# KiCad board BDCMotorController.kicad_pcb (continued)
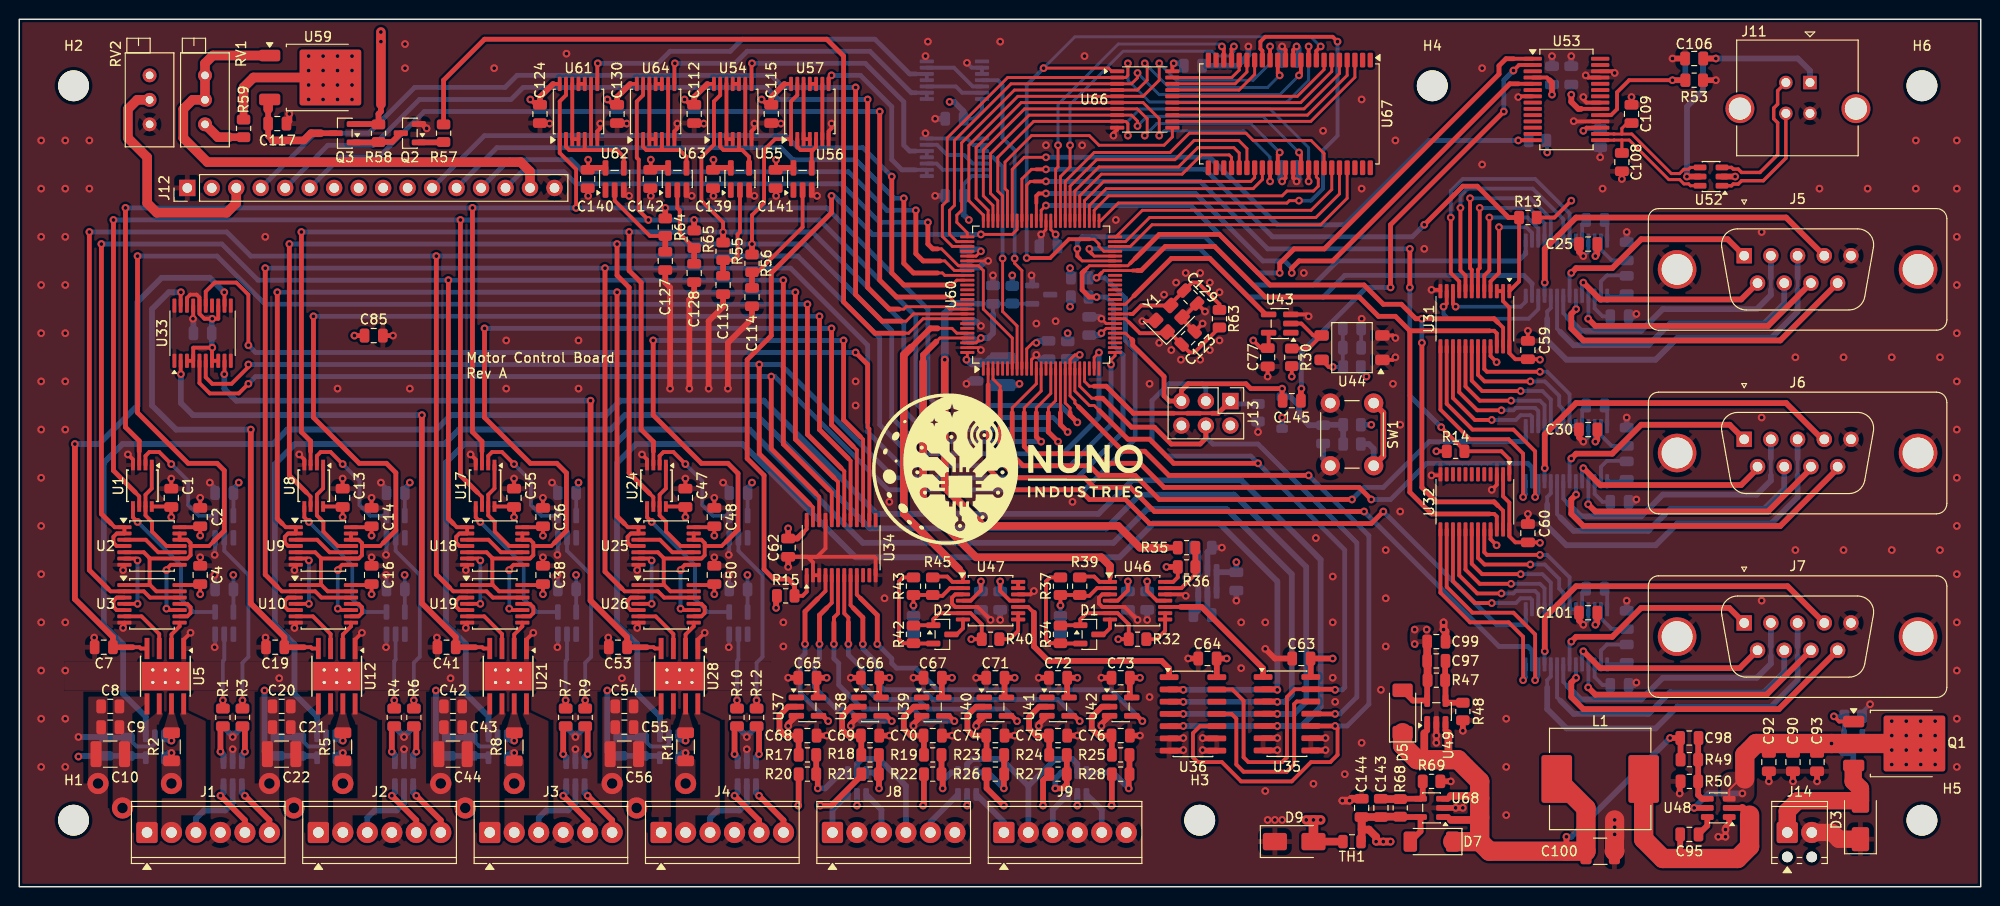
[diagram p0: board, top side]
## Routing (per net, layer and track width the routed paths; a pad name or vN(x,y) marks a point on that pad's centre or on a via; arc(x,y) is an arc through that point) (continued)
/Motor Control/H-bridge #1/ENCODER_A_IN: length 4
  Top w0.6: R1.2 20.87,16.4 v1(20.87,14.01)
  Bottom w0.6: U69.1 21.19,13.69 v1(20.87,14.01)
/Motor Control/H-bridge #1/ENCODER_B_IN: length 4
  Top w0.6: v1(23.41,14.01) 23.41,16.4 R3.2
  Bottom w0.6: U69.3 23.09,13.69 v1(23.41,14.01)
/Motor Control/H-bridge #1/IN1: length 5.9
  Top w0.4: U5.3 14.52,26.22 12.69,28.05 U3.6
/Motor Control/H-bridge #1/IN2: length 3
  Top w0.4: U5.2 15.79,26.17 16.63,27.01 U3.8
/Motor Control/H-bridge #1/~{ENABLE_MOTOR}: length 10.9
  Top w0.4: U1.1 13.74,41.33 13.09,40.68 U1.7 13.09,38.53 13.77,37.85 13.77,36.85 15.27,35.35 U2.11
/Motor Control/H-bridge #1/~{FORWARD}/REVERSE: length 6.3
  Top w0.4: U2.10 14.42,34.7 13.12,36 U2.3
/Motor Control/H-bridge #2/ENCODER_A_IN: length 4
  Top w0.6: R4.2 38.65,16.4 v1(38.65,14.01)
  Bottom w0.6: v1(38.65,14.01) 38.97,13.69 U70.1
/Motor Control/H-bridge #2/ENCODER_B_IN: length 4
  Top w0.6: R6.2 41.19,16.4 v1(41.19,14.01)
  Bottom w0.6: U70.3 40.87,13.69 v1(41.19,14.01)
/Motor Control/H-bridge #2/IN1: length 5.9
  Top w0.4: U10.6 30.46,28.05 32.3,26.22 U12.3
/Motor Control/H-bridge #2/IN2: length 3
  Top w0.4: U10.8 34.41,27.01 33.57,26.17 U12.2
/Motor Control/H-bridge #2/~{ENABLE_MOTOR}: length 10.9
  Top w0.4: U9.11 33.05,35.35 31.55,36.85 31.55,37.85 30.88,38.53 U8.7 30.88,40.68 31.52,41.33 U8.1
/Motor Control/H-bridge #2/~{FORWARD}/REVERSE: length 6.3
  Top w0.4: U9.10 32.2,34.7 30.9,36 U9.3
/Motor Control/H-bridge #3/ENCODER_A_IN: length 4
  Top w0.6: v1(56.43,13.76) 56.43,16.4 R7.2
  Bottom w0.6: v1(56.43,13.76) 56.75,13.44 U71.1
/Motor Control/H-bridge #3/ENCODER_B_IN: length 4
  Top w0.6: v1(58.97,13.76) 58.97,16.4 R9.2
  Bottom w0.6: v1(58.97,13.76) 58.65,13.44 U71.3
/Motor Control/H-bridge #3/IN1: length 5.9
  Top w0.4: U21.3 50.08,26.22 48.24,28.05 U19.6
/Motor Control/H-bridge #3/IN2: length 3
  Top w0.4: U19.8 52.19,27.01 51.35,26.17 U21.2
/Motor Control/H-bridge #3/~{ENABLE_MOTOR}: length 10.9
  Top w0.4: U18.11 50.83,35.35 49.33,36.85 49.33,37.85 48.65,38.53 U17.7 48.65,40.68 49.3,41.33 U17.1
/Motor Control/H-bridge #3/~{FORWARD}/REVERSE: length 6.3
  Top w0.4: U18.10 49.98,34.7 48.68,36 U18.3
/Motor Control/H-bridge #4/ENCODER_A_IN: length 4
  Top w0.6: R10.2 74.21,16.4 v1(74.21,13.76)
  Bottom w0.6: U72.1 74.53,13.44 v1(74.21,13.76)
/Motor Control/H-bridge #4/ENCODER_B_IN: length 4
  Top w0.6: R12.2 76.75,16.4 v1(76.75,13.76)
  Bottom w0.6: v1(76.75,13.76) 76.43,13.44 U72.3
/Motor Control/H-bridge #4/IN1: length 5.9
  Top w0.4: U28.3 67.86,26.22 66.02,28.05 U26.6
/Motor Control/H-bridge #4/IN2: length 3
  Top w0.4: U28.2 69.13,26.17 69.97,27.01 U26.8
/Motor Control/H-bridge #4/~{ENABLE_MOTOR}: length 10.9
  Top w0.4: U24.1 67.08,41.33 66.43,40.68 U24.7 66.43,38.53 67.11,37.85 67.11,36.85 68.61,35.35 U25.11
/Motor Control/H-bridge #4/~{FORWARD}/REVERSE: length 6.3
  Top w0.4: U25.3 66.46,36 67.76,34.7 U25.10
/Motor Control/LIM_SW00: length 18.7
  Top w0.4: 82.83,29.87 83.64,30.68 U34.4
  Top w0.5: v1(81.52,25.18) 81.52,28.56 82.83,29.87 ; U37.4 83.37,17.73 v1(83.92,17.18)
  Bottom w0.5: v1(81.52,25.18) 81.52,24.18 81.02,23.68 81.02,20.08 v1(83.92,17.18)
/Motor Control/LIM_SW01: length 23.2
  Top w0.4: U34.5 84.3,29.46 83.77,28.93
  Top w0.5: v1(83.02,25.18) 83.02,28.18 83.77,28.93 ; U38.4 89.97,17.73 v1(90.52,17.18)
  Bottom w0.5: v1(83.02,25.18) 83.02,23.68 82.52,23.18 82.52,20.68 84.77,18.43 86.02,18.43 87.27,17.18 v1(90.52,17.18)
/Motor Control/LIM_SW02: length 26.7
  Top w0.4: U34.6 84.95,28.36 84.52,27.93 84.52,27.43
  Top w0.5: v1(97.02,17.18) 96.47,17.73 U39.4 ; 84.52,27.43 v1(84.52,25.18)
  Bottom w0.5: v1(97.02,17.18) 94.02,17.18 92.77,18.43 87.52,18.43 85.02,20.93 85.02,23.18 84.52,23.68 v1(84.52,25.18)
/Motor Control/LIM_SW03: length 31.1
  Top w0.4: 86.02,27.43 86.02,27.93 85.59,28.36 U34.7
  Top w0.5: 86.02,27.43 v1(86.02,25.18) ; U40.4 102.97,17.73 v1(103.52,17.18)
  Bottom w0.5: v1(86.02,25.18) 86.02,24.06 87.52,22.56 87.52,20.93 89.02,19.43 93.27,19.43 94.27,18.43 102.27,18.43 v1(103.52,17.18)
/Motor Control/LIM_SW04: length 36.3
  Top w0.4: U34.8 86.24,29.21 86.52,28.93
  Top w0.5: 86.52,28.93 87.52,27.93 v1(87.52,25.18) ; v1(110.02,17.18) 109.47,17.73 U41.4
  Bottom w0.5: v1(110.02,17.18) 107.77,19.43 94.77,19.43 93.77,20.43 89.77,20.43 89.02,21.18 89.02,23.18 87.52,24.68 v1(87.52,25.18)
/Motor Control/LIM_SW05: length 40.5
  Top w0.4: 87.27,29.93 86.89,30.31 U34.9
  Top w0.5: v1(89.02,25.18) 89.02,28.18 87.27,29.93 ; v1(116.52,17.18) 115.97,17.73 U42.4
  Bottom w0.5: v1(89.02,25.18) 90.52,23.68 90.52,23.18 91.02,22.68 93.02,22.68 95.27,20.43 113.27,20.43 v1(116.52,17.18)
/Motor Control/Limit Switches/LIM1: length 7.3
  Top w0.6: R17.2 R20.1 82.85,11.52 v1(82.85,10.2)
  Bottom w0.6: U73.1 85.25,11.85 83.61,10.2 v1(82.85,10.2)
/Motor Control/Limit Switches/LIM1_O: length 4.6
  Bottom w0.6: U73.6 84.37,7.98 J8.1
/Motor Control/Limit Switches/LIM2: length 6.1
  Top w0.6: R18.2 R21.1 89.2,11.67 v1(89.2,10.2)
  Bottom w0.6: v1(89.2,10.2) 89.2,11.22 88.57,11.85 U73.3
/Motor Control/Limit Switches/LIM2_O: length 4.6
  Bottom w0.6: U73.4 89.45,7.98 J8.3
/Motor Control/Limit Switches/LIM3: length 6.2
  Top w0.6: R19.2 R22.1 95.8,11.56 v1(95.8,10.2)
  Bottom w0.6: v1(95.8,10.2) 95.8,10.96 96.68,11.85 U74.1
/Motor Control/Limit Switches/LIM3_O: length 5.1
  Bottom w0.6: U74.6 94.53,6.71 J8.5
/Motor Control/Limit Switches/LIM4: length 7
  Top w0.6: v1(102.15,10.2) 102.15,11.65 R26.1 102.18,13.65 102.15,13.68
  Bottom w0.6: U74.3 100.5,11.85 v1(102.15,10.2)
/Motor Control/Limit Switches/LIM4_O: length 5.1
  Bottom w0.6: J9.1 102.15,6.71 U74.4
/Motor Control/Limit Switches/LIM5: length 7
  Top w0.6: v1(107.48,10.2) 108.25,10.2 108.68,10.64 R27.1 R24.2
  Bottom w0.6: v1(107.48,10.2) 107.48,11.22 108.11,11.85 U75.1
/Motor Control/Limit Switches/LIM5_O: length 4.6
  Bottom w0.6: U75.6 107.23,7.98 J9.3
/Motor Control/Limit Switches/LIM6: length 8.6
  Top w0.6: R25.2 R28.1 115.1,11.6 v1(115.1,10.2)
  Bottom w0.6: v1(115.1,10.2) 113.46,11.85 U75.3
/Motor Control/Limit Switches/LIM6_O: length 4.6
  Bottom w0.6: J9.5 112.31,7.98 U75.4
/Motor Control/POT_~{RESET}: length 93.3
  Top w0.4: U33.15 19.34,61.76 20.27,62.68 22.52,62.68 23.77,61.43 v1(23.77,56.18) ; U34.14 88.2,47.51 88.02,47.68 88.02,48.18
  Top w0.5: v1(86.77,55.43) 88.02,54.18 88.02,48.18
  Bottom w0.5: v1(23.77,56.18) 24.52,55.43 v1(86.77,55.43)
/Motor Control/VREF_M1A: length 57.3
  Top w0.4: U33.12 21.3,61.66 v1(21.27,61.68) ; U5.4 12.6,24.72 12.47,24.85 11.77,24.85
  Top w0.6: 11.77,24.85 C7.1 9.72,25.9 5.77,29.85 v1(5.77,45.93)
  Bottom w0.6: v1(21.27,61.68) 19.77,63.18 14.77,63.18 12.27,60.68 12.27,49.93 8.27,45.93 v1(5.77,45.93)
/Motor Control/VREF_M1B: length 54
  Top w0.4: U12.4 30.38,24.72 30.25,24.85 29.55,24.85 ; U33.19 16.74,61.66 v1(16.77,61.68)
  Top w0.6: 29.55,24.85 C19.1 27.5,25.9 24.02,29.38 v1(24.02,47.43)
  Bottom w0.6: v1(16.77,61.68) 15.52,61.68 13.77,59.93 13.77,49.93 16.27,47.43 v1(24.02,47.43)
/Motor Control/VREF_M2A: length 59
  Top w0.4: U21.4 48.17,24.72 48.03,24.85 47.33,24.85 ; U33.2 16.74,53.21 v1(16.77,53.18)
  Top w0.6: 47.33,24.85 C41.1 45.28,25.9 41.77,29.41 v1(41.77,48.93)
  Bottom w0.6: v1(16.77,53.18) 16.77,50.18 18.02,48.93 v1(41.77,48.93)
/Motor Control/VREF_M2B: length 72.2
  Top w0.4: v1(21.27,53.18) 21.3,53.21 U33.9 ; 65.11,24.85 65.81,24.85 65.95,24.72 U28.4
  Top w0.6: v1(59.27,50.43) 59.27,29.69 63.06,25.9 C53.1 65.11,24.85
  Bottom w0.6: v1(21.27,53.18) 21.27,51.68 22.52,50.43 v1(59.27,50.43)
/Serial ports/CTS_IN1: length 21.2
  Top w0.4: v1(150.52,71.43) 150.52,64.18 150.69,64.01 U31.7
  Bottom w0.4: v1(150.52,71.43) 156.77,71.43 158.89,69.31 U15.19
/Serial ports/CTS_IN2: length 15.3
  Top w0.4: U31.18 150.69,52.51 151.77,51.43 v1(155.77,51.43)
  Bottom w0.4: v1(155.77,51.43) 158.02,51.43 158.89,50.56 U16.19
/Serial ports/CTS_IN3: length 15.3
  Top w0.4: U32.18 150.69,33.51 151.77,32.43 v1(155.77,32.43)
  Bottom w0.4: U51.19 158.89,31.56 158.02,32.43 v1(155.77,32.43)
/Serial ports/CTS_LINE1: length 27.7
  Top w0.6: J5.8 181.44,58.18 163.52,58.18 v1(162.77,58.93)
  Bottom w0.4: U15.4 162.8,58.96 v1(162.77,58.93)
/Serial ports/CTS_LINE2: length 27.7
  Top w0.6: 185.88,43.38 181.44,38.93 163.52,38.93 v1(162.77,39.68)
  Bottom w0.4: v1(162.77,39.68) 162.8,39.71 U16.4
/Serial ports/CTS_LINE3: length 27.7
  Top w0.6: J7.8 181.28,19.93 163.52,19.93 v1(162.77,20.68)
  Bottom w0.4: v1(162.77,20.68) 162.8,20.71 U51.4
/Serial ports/DCD_IN1: length 11.5
  Top w0.4: v1(153.52,68.43) 153.52,63.68 152.64,62.81 U31.4
  Bottom w0.4: v1(153.52,68.43) 156.35,68.43 156.94,67.84 U15.16
/Serial ports/DCD_IN2: length 15.7
  Top w0.4: v1(152.77,48.43) 151.02,48.43 148.75,50.71 U31.15
  Bottom w0.4: v1(152.77,48.43) 155.27,48.43 155.77,48.93 156.77,48.93 156.94,48.76 U16.16
/Serial ports/DCD_IN3: length 15.7
  Top w0.4: v1(152.77,29.43) 151.02,29.43 148.75,31.71 U32.15
  Bottom w0.4: U51.16 156.94,29.76 156.77,29.93 155.77,29.93 155.27,29.43 v1(152.77,29.43)
/Serial ports/DCD_LINE1: length 22.5
  Top w0.6: v1(161.02,63.68) 161.52,64.18 165.27,64.18 168.27,67.18 177.25,67.18 J5.1
  Bottom w0.4: v1(161.02,63.68) 160.84,63.51 U15.7
/Serial ports/DCD_LINE2: length 22.5
  Top w0.6: J6.1 177.45,47.93 168.27,47.93 165.27,44.93 161.52,44.93 v1(161.02,44.43)
  Bottom w0.4: U16.7 160.84,44.26 v1(161.02,44.43)
/Serial ports/DCD_LINE3: length 22.5
  Top w0.6: J7.1 177.4,28.93 168.27,28.93 165.27,25.93 161.52,25.93 v1(161.02,25.43)
  Bottom w0.4: v1(161.02,25.43) 160.84,25.26 U51.7
/Serial ports/DSR_IN1: length 17.9
  Top w0.4: U31.6 151.34,64.01 151.52,64.18 v1(151.52,70.43)
  Bottom w0.4: U15.18 158.25,68.84 156.65,70.43 v1(151.52,70.43)
/Serial ports/DSR_IN2: length 15.3
  Top w0.4: v1(154.77,50.43) 151.52,50.43 150.05,51.91 U31.17
  Bottom w0.4: v1(154.77,50.43) 157.77,50.43 158.25,49.96 U16.18
/Serial ports/DSR_IN3: length 15.3
  Top w0.4: U32.17 150.05,32.91 151.52,31.43 v1(154.77,31.43)
  Bottom w0.4: v1(154.77,31.43) 157.77,31.43 158.25,30.96 U51.18
/Serial ports/DSR_LINE1: length 20.9
  Top w0.6: J5.6 178.64,60.93 164.02,60.93 v1(162.27,62.68)
  Bottom w0.4: v1(162.27,62.68) 162.14,62.56 U15.5
/Serial ports/DSR_LINE2: length 20.9
  Top w0.6: v1(162.27,43.43) 164.02,41.68 178.64,41.68 180.34,43.38
  Bottom w0.4: U16.5 162.14,43.31 v1(162.27,43.43)
/Serial ports/DSR_LINE3: length 21
  Top w0.6: J7.6 178.5,22.68 164.02,22.68 v1(162.27,24.43)
  Bottom w0.4: v1(162.27,24.43) 162.14,24.31 U51.5
/Serial ports/DTR_IN1: length 14.3
  Top w0.4: U31.11 148.09,60.51 v1(147.77,60.18)
  Bottom w0.4: v1(147.77,60.18) 147.77,59.43 148.27,58.93 156.6,58.93 157.59,59.93 U15.12
/Serial ports/DTR_IN2: length 23.7
  Top w0.4: v1(157.27,40.43) 157.27,45.18 155.02,47.43 150.77,47.43 148.09,50.11 U31.14
  Bottom w0.4: v1(157.27,40.43) 157.59,40.76 U16.12
/Serial ports/DTR_IN3: length 23.7
  Top w0.4: v1(157.27,21.43) 157.27,26.18 155.02,28.43 150.77,28.43 148.09,31.11 U32.14
  Bottom w0.4: U51.12 157.59,21.76 v1(157.27,21.43)
/Serial ports/DTR_LINE1: length 36.9
  Top w0.6: v1(158.27,62.68) 158.27,66.18 161.52,69.43 183.31,69.43 J5.4
  Bottom w0.4: U15.11 158.25,62.66 v1(158.27,62.68)
/Serial ports/DTR_LINE2: length 36.9
  Top w0.6: 187.27,46.22 183.31,50.18 161.52,50.18 158.27,46.93 v1(158.27,43.43)
  Bottom w0.4: v1(158.27,43.43) 158.25,43.41 U16.11
/Serial ports/DTR_LINE3: length 36.8
  Top w0.6: J7.4 183.46,31.18 161.52,31.18 158.27,27.93 v1(158.27,24.43)
  Bottom w0.4: U51.11 158.25,24.41 v1(158.27,24.43)
/Serial ports/RI_IN1: length 14.7
  Top w0.4: U31.5 152,63.41 152.52,63.93 v1(152.52,69.43)
  Bottom w0.4: U15.17 157.59,68.32 156.49,69.43 v1(152.52,69.43)
/Serial ports/RI_IN2: length 15.5
  Top w0.4: U31.16 149.39,51.31 151.27,49.43 v1(153.77,49.43)
  Bottom w0.4: v1(153.77,49.43) 155.02,49.43 155.27,49.68 157.27,49.68 157.59,49.36 U16.17
/Serial ports/RI_IN3: length 15.5
  Top w0.4: U32.16 149.39,32.31 151.27,30.43 v1(153.77,30.43)
  Bottom w0.4: U51.17 157.59,30.36 157.27,30.68 155.27,30.68 155.02,30.43 v1(153.77,30.43)
/Serial ports/RI_LINE1: length 34.2
  Top w0.6: J5.9 182.7,56.68 162.27,56.68 161.02,57.93 161.02,59.43 v1(161.52,59.93)
  Bottom w0.4: v1(161.52,59.93) 161.5,59.96 U15.6
/Serial ports/RI_LINE2: length 34.2
  Top w0.6: v1(161.52,40.68) 161.02,40.18 161.02,38.68 162.27,37.43 182.7,37.43 188.65,43.38
  Bottom w0.4: U16.6 161.5,40.71 v1(161.52,40.68)
/Serial ports/RI_LINE3: length 34.3
  Top w0.6: J7.9 182.56,18.43 162.27,18.43 161.02,19.68 161.02,21.18 v1(161.52,21.68)
  Bottom w0.4: U51.6 161.5,21.71 v1(161.52,21.68)
/Serial ports/RS232 Interface #1/C1+: length 2.3
  Bottom w0.4: C26.1 164.75,68.91 U15.28
/Serial ports/RS232 Interface #1/C1-: length 2.3
  Bottom w0.4: U15.24 162.14,68.76 C26.2
/Serial ports/RS232 Interface #1/C2+: length 2.1
  Bottom w0.4: 166.77,61.43 166.61,61.27 164.75,61.27
/Serial ports/RS232 Interface #1/C2-: length 4.4
  Bottom w0.4: 166.77,63.43 164.72,63.43 164.09,62.81 164.09,61.37
/Serial ports/RS232 Interface #1/V+: length 4.1
  Bottom w0.4: U15.27 164.09,66.11 165.22,64.98 C29.1
/Serial ports/RS232 Interface #1/V-: length 3.3
  Bottom w0.4: U15.3 163.44,60.01 164.27,59.18 C27.1
/Serial ports/RS232 Interface #2/C1+: length 2.3
  Bottom w0.4: C31.1 164.75,49.66 U16.28
/Serial ports/RS232 Interface #2/C1-: length 2.3
  Bottom w0.4: C31.2 162.14,49.51 U16.24
/Serial ports/RS232 Interface #2/C2+: length 2.1
  Bottom w0.4: U16.1 166.61,42.07 C33.1
/Serial ports/RS232 Interface #2/C2-: length 4.4
  Bottom w0.4: 166.77,44.18 164.72,44.18 164.09,43.56 164.09,42.12
/Serial ports/RS232 Interface #2/V+: length 4.1
  Bottom w0.4: C34.1 165.22,45.73 164.09,46.86 U16.27
/Serial ports/RS232 Interface #2/V-: length 3.3
  Bottom w0.4: U16.3 163.44,40.76 164.27,39.93 C32.1
/Serial ports/RS232 Interface #3/C1+: length 2.3
  Bottom w0.4: C102.1 164.75,30.66 U51.28
/Serial ports/RS232 Interface #3/C1-: length 2.3
  Bottom w0.4: U51.24 162.14,30.51 C102.2
/Serial ports/RS232 Interface #3/C2+: length 2.1
  Bottom w0.4: C104.1 166.61,23.07 U51.1
/Serial ports/RS232 Interface #3/C2-: length 4.4
  Bottom w0.4: U51.2 164.09,24.51 164.72,25.13 C104.2
/Serial ports/RS232 Interface #3/V+: length 4.1
  Bottom w0.4: C105.1 165.22,26.73 164.09,27.86 U51.27
/Serial ports/RS232 Interface #3/V-: length 3.3
  Bottom w0.4: C103.1 164.27,20.93 163.44,21.76 U51.3
/Serial ports/RTS_IN1: length 9.8
  Top w0.4: v1(149.02,60.18) 148.75,60.46 U31.10
  Bottom w0.4: v1(149.02,60.18) 155.77,60.18 156.3,60.71 U15.14
/Serial ports/RTS_IN2: length 23.3
  Top w0.4: U31.13 147.44,49.51 150.52,46.43 154.52,46.43 156.02,44.93 v1(156.02,40.43)
  Bottom w0.4: v1(156.02,40.43) 156.3,40.71 U16.14
/Serial ports/RTS_IN3: length 23.3
  Top w0.4: U32.13 147.44,30.51 150.52,27.43 154.52,27.43 156.02,25.93 v1(156.02,21.43)
  Bottom w0.4: U51.14 156.3,21.71 v1(156.02,21.43)
/Serial ports/RTS_LINE1: length 31.6
  Bottom w0.4: U15.9 159.55,57.91 159.89,57.56
  Bottom w0.6: J5.7 183.12,60.53 181.02,58.43 171.27,58.43 169.02,56.18 161.27,56.18 159.89,57.56
/Serial ports/RTS_LINE2: length 31.6
  Bottom w0.4: U16.9 159.55,38.66 159.89,38.31
  Bottom w0.6: 159.89,38.31 161.27,36.93 169.02,36.93 171.27,39.18 181.02,39.18 183.12,41.28 183.12,43.38
/Serial ports/RTS_LINE3: length 31.8
  Bottom w0.4: 159.89,19.31 159.55,19.66 U51.9
  Bottom w0.6: 159.89,19.31 161.27,17.93 169.02,17.93 171.27,20.18 181.02,20.18 183.12,22.28 J7.7
/Serial ports/RX_LINE1: length 29.7
  Bottom w0.4: 160.64,59.06 160.19,59.51 U15.8 ; 181.73,61.93 181.73,63.18
  Bottom w0.6: 160.64,59.06 162.02,57.68 168.27,57.68 170.52,59.93 180.27,59.93 181.73,61.39 181.73,61.93 ; 181.73,63.18 J5.2
/Serial ports/RX_LINE2: length 29.9
  Bottom w0.4: 181.73,42.68 181.73,44.43 ; 160.64,39.81 160.19,40.26 U16.8
  Bottom w0.6: 181.73,44.43 J6.2 ; 181.73,42.68 181.73,42.14 180.27,40.68 170.52,40.68 168.27,38.43 162.02,38.43 160.64,39.81
/Serial ports/RX_LINE3: length 29.9
  Bottom w0.4: 160.64,20.81 160.19,21.26 U51.8 ; 181.73,23.93 181.73,24.93
  Bottom w0.6: 160.64,20.81 162.02,19.43 168.27,19.43 170.52,21.68 180.27,21.68 181.73,23.14 181.73,23.93 ; 181.73,24.93 J7.2
/Serial ports/ST_IN1: length 24.6
  Top w0.4: v1(149.52,70.43) 149.52,63.93 150.05,63.41 U31.8
  Bottom w0.4: v1(149.52,70.43) 149.52,71.68 150.27,72.43 157.02,72.43 160.19,69.26 U15.21
/Serial ports/ST_IN2: length 15.6
  Top w0.4: v1(156.77,52.43) 152.02,52.43 151.34,53.11 U31.19
  Bottom w0.4: U16.21 160.19,49.51 159.77,49.93 159.77,50.93 158.27,52.43 v1(156.77,52.43)
/Serial ports/ST_IN3: length 15.6
  Top w0.4: v1(156.77,33.43) 152.02,33.43 151.34,34.11 U32.19
  Bottom w0.4: U51.21 160.19,30.51 159.77,30.93 159.77,31.93 158.27,33.43 v1(156.77,33.43)
/Serial ports/TX_LINE1: length 39.5
  Bottom w0.4: 184.5,61.93 184.5,63.18 ; U15.10 158.89,60.06 158.52,59.68 158.52,58.93
  Bottom w0.6: 184.5,61.93 184.5,59.66 181.77,56.93 172.02,56.93 169.77,54.68 160.52,54.68 158.52,56.68 158.52,58.93 ; 184.5,63.18 J5.3
/Serial ports/TX_LINE2: length 39.7
  Bottom w0.4: U16.10 158.89,40.81 158.52,40.43 158.52,39.68 ; 184.5,42.68 184.5,44.43
  Bottom w0.6: 184.5,42.68 184.5,40.41 181.77,37.68 172.02,37.68 169.77,35.43 160.52,35.43 158.52,37.43 158.52,39.68 ; 184.5,44.43 J6.3
/Serial ports/TX_LINE3: length 39.6
  Bottom w0.4: U51.10 158.89,21.81 158.52,21.43 158.52,20.68 ; 184.5,23.93 184.5,24.93
  Bottom w0.6: 184.5,24.93 J7.3 ; 158.52,20.68 158.52,18.43 160.52,16.43 169.77,16.43 172.02,18.68 181.77,18.68 184.5,21.41 184.5,23.93
/Serial ports/~{SHDN_IN1}: length 28.5
  Top w0.4: U31.9 149.39,62.81 148.52,63.68 v1(148.52,69.43)
  Bottom w0.4: U15.23 U15.22 160.84,69.86 157.27,73.43 149.77,73.43 148.52,72.18 v1(148.52,69.43)
/Serial ports/~{SHDN_IN2}: length 16.3
  Top w0.4: v1(157.77,53.43) 152.27,53.43 152,53.71 U31.20
  Bottom w0.4: U16.23 U16.22 160.84,51.11 158.52,53.43 v1(157.77,53.43)
/Serial ports/~{SHDN_IN3}: length 16.3
  Top w0.4: U32.20 152,34.71 152.27,34.43 v1(157.77,34.43)
  Bottom w0.4: U51.23 U51.22 160.84,32.11 158.52,34.43 v1(157.77,34.43)
/USB/DN: length 14.9
  Top w0.354: J11.2 182.43,82.58 182.43,81.19 182.02,80.78 182.02,79.68 182.43,79.27 182.43,75.94 180.59,74.11 178.69,74.11 178.34,74.46 177.82,74.46 177.65,74.63 U52.3
/USB/DP: length 12.5
  Top w0.354: J11.3 183.28,75.59 180.95,73.25 178.69,73.25 178.34,72.9 177.82,72.9 177.65,72.73 U52.1
/USB/USBN: length 14.1
  Top w0.317: U53.16 165.45,78.11 165.46,78.09 166.27,78.09 ; 166.27,78.09 166.27,78.68 166.82,79.23 C109.1 ; 166.27,78.09 167.3,78.09 171.4,73.99 172.26,73.99 172.71,74.44 173.2,74.44 173.39,74.63 U52.4
/USB/USBP: length 13.7
  Top w0.317: C108.1 166.27,77.47 ; 166.27,77.47 165.46,77.47 165.45,77.46 U53.15 ; 166.27,77.47 167.04,77.47 171.14,73.37 172.26,73.37 172.71,72.92 173.2,72.92 173.39,72.73 U52.6
VDC: length 45.6
  Top w0.2: U48.3 177.41,10.07 178.52,11.18 179.02,11.18
  Top w0.6: Q3.2 37.23,79.13 R58.1 37.27,80.18 37.52,80.43 37.52,81.18 ; U48.5 v1(173.77,8.18)
  Top w1: 37.52,81.18 v1(37.52,87.68) v1(37.52,88.68)
  Top w2: 179.02,11.18 179.02,13.68 180.2,14.86 v1(188.02,14.86) Q1.2
  Bottom w0.4: D4.3 189.13,13.74 v1(188.02,14.86)
  Bottom w0.6: v1(178.77,9.68) 175.27,9.68 v1(173.77,8.18)
  vias: v1(194.27,17.18) v1(194.27,15.68) v1(194.27,14.18) v1(194.27,12.68) v1(195.77,17.18) v1(195.77,15.68) v1(195.77,14.18) v1(195.77,12.68) v1(197.27,17.18) v1(197.27,15.68) v1(197.27,14.18) v1(197.27,12.68) v1(198.77,17.18) v1(198.77,15.68) v1(198.77,14.18) v1(198.77,12.68) v2(10.71,8.17) v2(28.49,8.17) v2(46.27,8.17) v2(64.05,8.17)
Net-(C3-Pad1): length 7.8
  Top w0.6: v1(21.12,19.35) R1.1
  Bottom w0.4: U6.2 21.27,23.56 21.12,23.41 v1(21.12,19.35)
Net-(C12-Pad1): length 19
  Top w0.6: v1(23.16,19.35) R3.1
  Bottom w0.4: U4.2 21.27,34.85 23.77,32.35 23.77,23.85 23.16,23.24 v1(23.16,19.35)
Net-(C15-Pad1): length 8.6
  Top w0.6: v1(38.9,19.35) R4.1
  Bottom w0.4: v1(38.9,19.35) 38.9,23.41 39.05,23.56 U13.2
  Bottom w0.6: v1(38.9,19.35) C15.1
Net-(C24-Pad1): length 19.8
  Top w0.6: v1(40.94,19.35) R6.1
  Bottom w0.4: v1(40.94,19.35) 40.94,23.24 41.55,23.85 41.55,32.35 39.05,34.85 U11.2
  Bottom w0.6: v1(40.94,19.35) C24.1
Net-(C37-Pad1): length 8.6
  Top w0.6: R7.1 v1(56.68,19.35)
  Bottom w0.4: U22.2 56.83,23.56 56.68,23.41 v1(56.68,19.35)
  Bottom w0.6: C37.1 v1(56.68,19.35)
Net-(C46-Pad1): length 19.8
  Top w0.6: R9.1 v1(58.72,19.35)
  Bottom w0.4: v1(58.72,19.35) 58.72,23.24 59.33,23.85 59.33,32.35 56.83,34.85 U20.2
  Bottom w0.6: C46.1 v1(58.72,19.35)
Net-(C49-Pad1): length 8.6
  Top w0.6: v1(74.46,19.35) R10.1
  Bottom w0.4: v1(74.46,19.35) 74.46,23.41 74.61,23.56 U29.2
  Bottom w0.6: v1(74.46,19.35) C49.1
Net-(C58-Pad1): length 19.8
  Top w0.6: v1(76.5,19.35) R12.1
  Bottom w0.4: U27.2 74.61,34.85 77.11,32.35 77.11,23.85 76.5,23.24 v1(76.5,19.35)
  Bottom w0.6: v1(76.5,19.35) C58.1
Net-(C68-Pad1): length 7.8
  Top w0.6: U37.2 79.77,18.68 78.87,17.78 78.87,16.31 79.5,15.68 C68.1 80.86,15.64 R17.1
Net-(C69-Pad1): length 7.8
  Top w0.6: U38.2 86.32,18.68 85.37,17.73 85.37,16.31 86,15.68 C69.1 87.36,15.64 R18.1
Net-(C70-Pad1): length 7.9
  Top w0.6: R19.1 93.86,15.64 C70.1 92.5,15.68 91.77,16.41 91.77,17.63 92.82,18.68 U39.2
Net-(C74-Pad1): length 7.8
  Top w0.6: U40.2 99.27,18.68 98.37,17.78 98.37,16.31 99,15.68 C74.1 100.36,15.64 R23.1
Net-(C75-Pad1): length 7.9
  Top w0.6: R24.1 106.86,15.64 C75.1 105.5,15.68 104.77,16.41 104.77,17.63 105.82,18.68 U41.2
Net-(C76-Pad1): length 7.9
  Top w0.6: R25.1 113.36,15.64 C76.1 112,15.68 111.27,16.41 111.27,17.63 112.32,18.68 U42.2
Net-(C113-Pad1): length 10.3
  Top w0.4: R55.2 74.11,65.02 74.52,65.43 74.52,67.68 74.77,67.93 U55.2
  Top w0.6: C113.1 R55.2
Net-(C114-Pad1): length 12.7
  Top w0.4: U56.2 81.27,68.43 76.61,63.77 R56.2
  Top w0.6: C114.1 R56.2
Net-(C127-Pad1): length 9.5
  Top w0.4: U62.2 61.77,71.18 65.43,67.52 R64.2
  Top w0.6: C127.1 R64.2
Net-(C128-Pad1): length 8.4
  Top w0.4: U63.2 68.27,70.43 68.52,70.18 68.52,67.77 R65.2
  Top w0.6: C128.1 R65.2
Net-(D1-A): length 11.4
  Top w0.4: D1.2 108.06,25.23 R34.1 106.93,25.27 106.52,25.68 106.52,31.68 106.93,32.09 R37.2
Net-(D1-K-Pad3): length 2.4
  Top w0.4: U46.7 113.16,26.82 112.52,26.18 D1.3
Net-(D2-A): length 11.4
  Top w0.4: R43.2 91.68,32.09 91.27,31.68 91.27,25.68 91.68,25.27 R42.1 92.81,25.23 D2.2
Net-(D2-K-Pad3): length 2.4
  Top w0.4: D2.3 97.27,26.18 97.91,26.82 U47.7
Net-(D3-A2): length 14.2
  Top w0.25: Q1.3 190.32,11.98 190.27,11.93
  Top w1.8: J14.1 183.43,7.84 184.52,8.93 D3.2 191.02,10.18 190.27,10.93 190.27,11.93
Net-(D4-A): length 5.4
  Top w0.4: Q1.1 188.81,17.14 v1(188.27,17.68)
  Bottom w0.4: v1(188.27,17.68) R46.1 189.32,17.64 D4.1
Net-(J1-Pin_5): length 6.1
  Top w0.6: J1.5 23.41,6.9 v1(20.87,9.44)
  Bottom w0.6: v1(20.87,9.44) 21.19,9.76 U69.6
Net-(J1-Pin_6): length 6.1
  Top w0.6: J1.6 25.95,6.9 v1(23.41,9.44)
  Bottom w0.6: v1(23.41,9.44) 23.09,9.76 U69.4
Net-(J2-Pin_5): length 6.1
  Top w0.6: J2.5 41.19,6.9 v1(38.65,9.44)
  Bottom w0.6: v1(38.65,9.44) 38.97,9.76 U70.6
Net-(J2-Pin_6): length 6.1
  Top w0.6: v1(41.19,9.44) 43.73,6.9 J2.6
  Bottom w0.6: U70.4 40.87,9.76 v1(41.19,9.44)
Net-(J3-Pin_5): length 6.1
  Top w0.6: J3.5 58.97,6.9 v1(56.43,9.44)
  Bottom w0.6: v1(56.43,9.44) 56.75,9.76 U71.6
Net-(J3-Pin_6): length 6.1
  Top w0.6: v1(58.97,9.44) 61.51,6.9 J3.6
  Bottom w0.6: U71.4 58.65,9.76 v1(58.97,9.44)
Net-(J4-Pin_5): length 6.1
  Top w0.6: v1(74.21,9.44) 76.75,6.9 J4.5
  Bottom w0.6: v1(74.21,9.44) 74.53,9.76 U72.6
Net-(J4-Pin_6): length 6.1
  Top w0.6: J4.6 79.29,6.9 v1(76.75,9.44)
  Bottom w0.6: U72.4 76.43,9.76 v1(76.75,9.44)
Net-(Q2-B): length 2.6
  Top w0.6: Q2.1 43.98,77.23 R57.2
Net-(Q2-C): length 5.3
  Top w0.6: Q3.1 37.23,77.23 R58.2 38.67,77.27 Q2.3
Net-(Q3-D): length 11.4
  Top w0.6: 26.27,77.43 25.82,77.88 C117.1 25.82,80.68 ; Q3.3 31.27,78.18
  Top w0.8: 31.27,78.18 30.27,78.18 29.52,77.43 26.27,77.43
  Top w1: U59.3 25.82,81.52 25.82,80.68
Net-(R59-Pad2): length 4.8
  Top w0.8: R59.2 21.77,77.77
  Top w1: 19.44,79.27 RV1.1 20.6,77.77 21.77,77.77
Net-(R61-Pad2): length 10.6
  Top w0.6: SW1.2 141.52,49.18 141.52,44.68 SW1.2
  Bottom w0.6: SW1.2 140.52,45.43 140.02,45.93 R61.2
Net-(U1-Pad2): length 12.5
  Top w0.4: U1.2 13.09,44.7 13.49,45.1 14.52,45.1 v1(15.77,43.85)
  Bottom w0.4: U4.4 18.62,38.5 17.52,39.6 17.52,42.1 v1(15.77,43.85)
Net-(U1-Pad5): length 15.8
  Top w0.4: v1(12.27,37.85) 11.8,38.33 U1.5
  Bottom w0.4: U6.4 18.12,28.5 16.77,29.85 16.77,33.35 v1(12.27,37.85)
Net-(U2-Pad6): length 7.4
  Top w0.4: U3.4 12.37,29.35 ; U2.6 12.07,34.05 v1(12.27,33.85)
  Bottom w0.4: v1(12.27,33.85) v1(12.27,29.35)
Net-(U2-Pad8): length 7.1
  Top w0.4: U2.8 15.72,33.4 15.42,33.1 15.42,33 v1(15.27,32.85) ; v1(15.27,28.85) 15.42,28.7 U3.10
  Bottom w0.4: v1(15.27,28.85) v1(15.27,32.85)
Net-(U3-Pad3): length 3.2
  Top w0.4: U3.3 10.11,30 9.77,29.66 9.77,29.04 10.11,28.7 U3.5
Net-(U3-Pad11): length 3.2
  Top w0.4: U3.9 17.43,28.05 17.77,28.39 17.77,29.01 17.43,29.35 U3.11
Net-(U5-ISEN): length 1.8
  Top w0.6: v1(15.79,15.16) R2.2
  Bottom w0.6: v1(15.79,15.16) 15.52,15.16 U7.3
Net-(U10-Pad3): length 3.2
  Top w0.4: U10.3 27.89,30 27.55,29.66 27.55,29.04 27.89,28.7 U10.5
Net-(U10-Pad4): length 7.4
  Top w0.4: v1(30.05,33.85) 29.85,34.05 U9.6 ; U10.4 30.15,29.35
  Bottom w0.4: v1(30.05,33.85) v1(30.05,29.35)
Net-(U10-Pad10): length 7.1
  Top w0.4: U9.8 33.5,33.4 33.2,33.1 33.2,33 v1(33.05,32.85) ; U10.10 33.2,28.7 v1(33.05,28.85)
  Bottom w0.4: v1(33.05,28.85) v1(33.05,32.85)
Net-(U10-Pad11): length 3.2
  Top w0.4: U10.9 35.21,28.05 35.55,28.39 35.55,29.01 35.21,29.35 U10.11
Net-(U11-Pad4): length 12.5
  Top w0.4: v1(33.55,43.85) 32.3,45.1 31.27,45.1 30.88,44.7 U8.2
  Bottom w0.4: v1(33.55,43.85) 35.3,42.1 35.3,39.6 36.4,38.5 U11.4
Net-(U12-ISEN): length 1.8
  Top w0.6: v1(33.57,15.16) R5.2
  Bottom w0.6: U14.3 33.3,15.16 v1(33.57,15.16)
Net-(U13-Pad4): length 15.8
  Top w0.4: v1(30.05,37.85) 29.58,38.33 U8.5
  Bottom w0.4: v1(30.05,37.85) 34.55,33.35 34.55,29.85 35.9,28.5 U13.4
Net-(U17-Pad2): length 12.5
  Top w0.4: U17.2 48.65,44.7 49.05,45.1 50.08,45.1 v1(51.33,43.85)
  Bottom w0.4: U20.4 54.18,38.5 53.08,39.6 53.08,42.1 v1(51.33,43.85)
Net-(U17-Pad5): length 15.8
  Top w0.4: v1(47.83,37.85) 47.36,38.33 U17.5
  Bottom w0.4: U22.4 53.68,28.5 52.33,29.85 52.33,33.35 v1(47.83,37.85)
Net-(U18-Pad6): length 7.4
  Top w0.4: U18.6 47.63,34.05 v1(47.83,33.85) ; U19.4 47.93,29.35
  Bottom w0.4: v1(47.83,33.85) v1(47.83,29.35)
Net-(U18-Pad8): length 7.1
  Top w0.4: v1(50.83,32.85) 50.98,33 50.98,33.1 51.28,33.4 U18.8 ; U19.10 50.98,28.7 v1(50.83,28.85)
  Bottom w0.4: v1(50.83,28.85) v1(50.83,32.85)
Net-(U19-Pad3): length 3.2
  Top w0.4: U19.5 45.67,28.7 45.33,29.04 45.33,29.66 45.67,30 U19.3
Net-(U19-Pad11): length 3.2
  Top w0.4: U19.11 52.99,29.35 53.33,29.01 53.33,28.39 52.99,28.05 U19.9
Net-(U21-ISEN): length 1.8
  Top w0.6: v1(51.35,15.16) R8.2
  Bottom w0.6: v1(51.35,15.16) 51.08,15.16 U23.3
Net-(U24-Pad2): length 12.5
  Top w0.4: v1(69.11,43.85) 67.86,45.1 66.83,45.1 66.43,44.7 U24.2
  Bottom w0.4: v1(69.11,43.85) 70.86,42.1 70.86,39.6 71.96,38.5 U27.4
Net-(U24-Pad5): length 15.8
  Top w0.4: v1(65.61,37.85) 65.14,38.33 U24.5
  Bottom w0.4: v1(65.61,37.85) 70.11,33.35 70.11,29.85 71.46,28.5 U29.4
Net-(U25-Pad6): length 7.4
  Top w0.4: v1(65.61,33.85) 65.41,34.05 U25.6 ; U26.4 65.71,29.35
  Bottom w0.4: v1(65.61,33.85) v1(65.61,29.35)
Net-(U25-Pad8): length 7.1
  Top w0.4: v1(68.61,32.85) 68.76,33 68.76,33.1 69.06,33.4 U25.8 ; U26.10 68.76,28.7 v1(68.61,28.85)
  Bottom w0.4: v1(68.61,28.85) v1(68.61,32.85)
Net-(U26-Pad3): length 3.2
  Top w0.4: U26.3 63.45,30 63.11,29.66 63.11,29.04 63.45,28.7 U26.5
Net-(U26-Pad11): length 3.2
  Top w0.4: U26.9 70.77,28.05 71.11,28.39 71.11,29.01 70.77,29.35 U26.11
Net-(U28-ISEN): length 1.8
  Top w0.6: v1(69.13,15.16) R11.2
  Bottom w0.6: v1(69.13,15.16) 68.86,15.16 U30.3
Net-(U35-SO): length 21.7
  Top w0.4: U36.11 125.77,17.93 126.27,17.43 126.27,12.68 127.02,11.93 131.52,11.93 132.27,12.68 132.27,18.95 132.54,19.22 U35.12
Net-(U44-OUT): length 7.4
  Top w0.4: R30.2 133.76,55.84 U44.3 134.25,57.2 133.02,58.43 U43.2
Net-(U44-Vcc): length 6.6
  Top w0.4: v1(136.27,53.93) 135.85,53.93 U44.4
  Bottom w0.4: C78.1 C79.1 137.32,53.97 R29.1 v1(136.27,53.93)
Net-(U46A--): length 7.7
  Top w0.4: v1(108.02,29.18) R37.1 R39.2 110.11,30.18 111.02,30.18 111.82,30.98 U46.2
  Bottom w0.4: v1(108.02,29.18) R38.2
Net-(U46B--): length 12.2
  Top w0.4: R34.2 108.06,27.13 D1.1 110.08,27.74 110.72,28.38 U46.6 113.96,28.38 115.11,27.23 R32.1 v1(114.02,25.68)
  Bottom w0.4: v1(114.02,25.68) R32.1
Net-(U46D--): length 6.5
  Top w0.4: U46.13 120.57,30.98 122.02,32.43 R36.1
  Top w0.6: R35.1 R36.1
Net-(U47A--): length 7.7
  Top w0.4: v1(92.77,29.18) R43.1 R45.2 94.86,30.18 95.77,30.18 96.57,30.98 U47.2
  Bottom w0.4: R44.2 v1(92.77,29.18)
Net-(U47B--): length 12.2
  Top w0.4: v1(98.77,25.68) R40.1 99.86,27.23 98.71,28.38 U47.6 95.47,28.38 94.83,27.74 D2.1 92.81,27.13 R42.2
  Bottom w0.4: v1(98.77,25.68) R40.1
Net-(U47D--): length 0.7
  Top w0.4: U47.14 U47.13
Net-(U48-BOOT): length 2.2
  Top w0.6: U48.6 175.13,6.34 C95.1
Net-(U48-FB): length 7
  Top w0.6: U48.4 174.57,9.13 174.18,9.52 R50.1 174.18,15.39 C98.2
Net-(U48-SW): length 33.4
  Top w0.6: 178.27,2.93 172.82,2.93 172.32,3.43 C95.2 ; 178.77,8.18 U48.2
  Top w0.8: 179.52,7.43 178.77,8.18
  Top w1.8: L1.1 168.53,10.18 168.52,10.17
  Top w2: 179.52,7.43 179.52,4.18 178.27,2.93 170.52,2.93 168.53,4.92 L1.1
Net-(U49-FB): length 6
  Top w0.6: R48.1 148.19,19.09 U49.4 147.97,21.39 R47.2 147.93,23.39 C97.2
Net-(U50-C1+): length 2.5
  Bottom w0.6: C94.1 123.27,28.63 U50.5
Net-(U50-C1-): length 2.6
  Bottom w0.6: C94.2 122.32,28.68 U50.6
Net-(U53-3V3OUT): length 3.7
  Top w0.4: v1(162.27,78.43) 162.59,78.76 U53.17
  Bottom w0.4: C107.1 162.47,78.63 v1(162.27,78.43)
Net-(U54-Pad2): length 6.6
  Top w0.4: U55.4 75.72,75.72 75.01,76.43 74.77,76.43 ; 74.77,76.43 73.06,76.43 72.72,76.77 U54.2 ; 74.77,76.43 74.67,76.53 U54.5
Net-(U54-Pad6): length 5.7
  Top w0.4: U54.6 U54.9
Net-(U54-Pad8): length 27.4
  Top w0.4: U54.8 75.97,85.38 v1(76.02,85.43)
  Bottom w0.4: 93.02,76.33 U58.5 U58.4
  Bottom w0.5: v1(76.02,85.43) 87.77,85.43 91.77,81.43 91.77,76.93 92.37,76.33 93.02,76.33
Net-(U54-Pad10): length 0.7
  Top w0.4: U54.10 U54.11
Net-(U54-Pad12): length 6.4
  Top w0.4: U54.4 U54.3 U54.12
Net-(U56-Pad4): length 5.7
  Top w0.4: U57.5 82.67,76.77 82.33,76.43 ; U56.4 82.22,76.32 82.33,76.43 ; 82.33,76.43 81.06,76.43 80.72,76.77 U57.2
Net-(U57-Pad6): length 5.7
  Top w0.4: U57.9 U57.6
Net-(U57-Pad8): length 18.8
  Top w0.4: v1(84.27,84.18) 83.97,83.88 U57.8
  Bottom w0.4: 93.02,74.38 U58.2 U58.1
  Bottom w0.5: 93.02,74.38 91.57,74.38 90.52,75.43 90.52,80.93 87.27,84.18 v1(84.27,84.18)
Net-(U57-Pad10): length 0.7
  Top w0.4: U57.10 U57.11
Net-(U57-Pad12): length 6.4
  Top w0.4: U57.12 U57.3 U57.4
Net-(U58-Pad12): length 6.5
  Bottom w0.4: U58.12 98.92,75.03 98.02,75.93 96.27,75.93 95.22,76.98 U58.6
Net-(U58-Pad13): length 6
  Bottom w0.4: U58.3 95.17,75.03 95.82,74.38 U58.13
Net-(U59-VO): length 12.8
  Top w0.8: 23.27,80.93 R59.1
  Top w1: U59.2 24.3,83.96 23.27,82.93 23.27,80.93
  vias: v1(30.02,86.18) v1(30.02,84.68) v1(30.02,83.18) v1(30.02,81.68) v1(31.52,86.18) v1(31.52,84.68) v1(31.52,83.18) v1(31.52,81.68) v1(33.02,86.18) v1(33.02,84.68) v1(33.02,83.18) v1(33.02,81.68) v1(34.52,86.18) v1(34.52,84.68) v1(34.52,83.18) v1(34.52,81.68)
Net-(U61-Pad2): length 9.5
  Top w0.4: U61.2 56.72,76.77 57.06,76.43 62.02,76.43 62.72,75.73 U62.4 ; 58.67,76.43 U61.5
Net-(U61-Pad6): length 5.7
  Top w0.4: U61.9 U61.6
Net-(U61-Pad8): length 39.5
  Top w0.4: v1(60.02,85.43) 59.97,85.38 U61.8
  Bottom w0.4: 93.02,84.33 U65.5 U65.4
  Bottom w0.5: 93.02,84.33 92.37,84.33 88.77,87.93 75.02,87.93 73.77,86.68 67.52,86.68 66.27,85.43 v1(60.02,85.43)
Net-(U61-Pad10): length 0.7
  Top w0.4: U61.11 U61.10
Net-(U61-Pad12): length 6.4
  Top w0.4: U61.4 U61.3 U61.12
Net-(U63-Pad4): length 8.1
  Top w0.4: U63.4 69.22,75.73 68.52,76.43 66.57,76.43 ; 66.57,76.43 65.06,76.43 64.72,76.77 U64.2 ; 66.57,76.43 66.67,76.53 U64.5
Net-(U64-Pad6): length 5.7
  Top w0.4: U64.9 U64.6
Net-(U64-Pad8): length 31.2
  Top w0.4: v1(68.02,85.43) 67.97,85.38 U64.8
  Bottom w0.4: 93.02,82.38 U65.2 U65.1
  Bottom w0.5: v1(68.02,85.43) 74.27,85.43 75.52,86.68 88.24,86.68 92.55,82.38 93.02,82.38
Net-(U64-Pad10): length 0.7
  Top w0.4: U64.10 U64.11
Net-(U64-Pad12): length 6.4
  Top w0.4: U64.4 U64.3 U64.12
Net-(U65-Pad12): length 6.5
  Bottom w0.4: U65.12 98.92,83.03 96.97,84.98 U65.6
Net-(U65-Pad13): length 6
  Bottom w0.4: U65.13 97.82,82.38 97.17,83.03 U65.3
Net-(U68-FB): length 6
  Top w0.6: R68.2 143.31,9.13 U68.4 145.61,9.36 R69.1
  Top w0.8: R68.2 141.31,9.09 C143.2

## Copper pours and planes (outline as drawn; the poured copper is in the pictures)
+5V on Top: 15.77,54.18 22.27,54.18 22.27,60.68 15.77,60.68
+5V on Top: 146.77,24.68 146.77,27.18 144.27,27.18 144.27,24.68
+5V on Bottom: 161.77,83.68 158.27,83.68 158.27,81.68 161.77,81.68
+5V on In2.Cu: -0.48,-0.57 204.02,-0.57 204.02,90.43 -0.48,90.43
+5VD on In2.Cu: 140.02,5.43 140.02,-0.82 204.27,-0.82 204.27,71.43 198.77,71.43 198.77,4.18 143.02,4.18 143.02,5.43
+5VL on In2.Cu: 135.77,9.43 135.77,-0.82 16.77,-0.82 16.77,5.68 79.27,5.68 79.27,9.43
-5V on Bottom: 118.02,36.43 118.02,34.18 122.52,34.18 122.52,36.43
-5V on Bottom: 100.77,29.93 100.77,32.93 118.02,32.93 118.02,29.93
-5V on Bottom: 118.02,32.93 118.02,36.43 114.52,32.93
GND on Top: 62.53,19.73 60.49,19.73 60.49,10.71 62.53,10.71
GND on Top: 32.3,13.25 34.84,13.25 34.84,10.71 32.3,10.71
GND on Top: 26.97,19.73 24.93,19.73 24.93,10.71 26.97,10.71
GND on Top: 44.75,19.73 42.71,19.73 42.71,10.71 44.75,10.71
GND on Top: 4.65,23.35 77.99,23.35 77.99,20.36 4.65,20.36
GND on Top: 9.19,19.73 7.15,19.73 7.15,10.71 9.19,10.71
GND on Top: 14.52,13.25 17.06,13.25 17.06,10.71 14.52,10.71
GND on Top: 50.08,13.25 52.62,13.25 52.62,10.71 50.08,10.71
GND on Top: 67.86,13.25 70.4,13.25 70.4,10.71 67.86,10.71
GND on Top, Bottom, In1.Cu: -0.48,-0.57 204.02,-0.57 204.02,90.43 -0.48,90.43
GND on Bottom: 48.17,24.05 53.26,24.05 53.26,19.6 48.17,19.6
GND on Bottom: 12.61,24.05 17.69,24.05 17.69,19.6 12.61,19.6
GND on Bottom: 65.95,24.05 71.03,24.05 71.03,19.6 65.95,19.6
GND on Bottom: 30.39,24.05 35.47,24.05 35.47,19.6 30.39,19.6
GND on In1.Cu, In2.Cu: 30.39,23.41 35.47,23.41 35.47,20.24 30.39,20.24
GND on In1.Cu, In2.Cu: 65.95,23.41 71.03,23.41 71.03,20.24 65.95,20.24
GND on In1.Cu, In2.Cu: 12.61,23.41 17.69,23.41 17.69,20.24 12.61,20.24
GND on In1.Cu, In2.Cu: 48.17,23.41 53.26,23.41 53.26,20.24 48.17,20.24
/ADC conditioning/-VREF on Bottom: 118.52,33.68 120.52,33.68 120.52,23.43 118.52,23.43
/ADC conditioning/-VREF on Bottom: 91.77,27.18 118.52,27.18 118.52,23.43 91.77,23.43
/Motor Control/H-bridge #1/MOTOR+ on Top: 11.98,17.06 13,17.06 14.14,17.95 14.14,18.08 14.9,18.08 14.9,17.82 14.52,17.06 14.52,5.63 11.98,5.63
/Motor Control/H-bridge #1/MOTOR- on Top: 16.68,18.08 16.68,17.82 17.06,17.06 17.06,9.69 14.52,9.69 14.52,5.63 17.06,5.63 17.06,7.15 19.6,7.15 19.6,17.06 17.44,18.08
/Motor Control/H-bridge #2/MOTOR+ on Top: 29.76,17.06 30.78,17.06 31.92,17.95 31.92,18.08 32.68,18.08 32.68,17.82 32.3,17.06 32.3,5.63 29.76,5.63
/Motor Control/H-bridge #2/MOTOR- on Top: 34.46,18.08 34.46,17.82 34.84,17.06 34.84,9.69 32.3,9.69 32.3,5.63 34.84,5.63 34.84,7.15 37.38,7.15 37.38,17.06 35.22,18.08
/Motor Control/H-bridge #3/MOTOR+ on Top: 47.54,17.06 48.56,17.06 49.7,17.95 49.7,18.08 50.46,18.08 50.46,17.82 50.08,17.06 50.08,5.63 47.54,5.63
/Motor Control/H-bridge #3/MOTOR- on Top: 52.24,18.08 52.24,17.82 52.62,17.06 52.62,9.69 50.08,9.69 50.08,5.63 52.62,5.63 52.62,7.15 55.16,7.15 55.16,17.06 53,18.08
/Motor Control/H-bridge #4/MOTOR+ on Top: 65.32,17.06 66.34,17.06 67.48,17.95 67.48,18.08 68.24,18.08 68.24,17.82 67.86,17.06 67.86,5.63 65.32,5.63
/Motor Control/H-bridge #4/MOTOR- on Top: 70.02,18.08 70.02,17.82 70.4,17.06 70.4,9.69 67.86,9.69 67.86,5.63 70.4,5.63 70.4,7.15 72.94,7.15 72.94,17.06 70.78,18.08
VDC on Top: 30.9,19.73 30.9,18.97 29.51,17.95 29.51,8.17 27.22,8.17 27.22,19.73
VDC on Top: 48.68,19.73 48.68,18.97 47.29,17.95 47.29,8.17 45,8.17 45,19.73
VDC on Top: 13.12,19.73 13.12,18.97 11.73,17.95 11.73,8.17 9.44,8.17 9.44,19.73
VDC on Top: 176.52,8.68 180.02,8.68 180.02,11.93 176.52,11.93
VDC on Top: 66.46,19.73 66.46,18.97 65.07,17.95 65.07,8.17 62.78,8.17 62.78,19.73
VDC on Bottom: 192.52,18.43 204.27,18.43 204.27,-0.82 -0.73,-0.82 -0.73,90.68 39.02,90.68 39.02,87.18 4.27,87.18 4.27,9.56 65.52,9.43 65.52,4.43 192.52,4.43
VDC on In1.Cu, In2.Cu: 193.52,17.93 199.52,17.93 199.52,11.93 193.52,11.93
Net-(U5-ISEN) on Top: 14.9,16.04 16.68,16.04 16.17,17.82 16.17,18.08 15.41,18.08 15.41,17.82
Net-(U12-ISEN) on Top: 32.68,16.04 34.46,16.04 33.95,17.82 33.95,18.08 33.19,18.08 33.19,17.82
Net-(U21-ISEN) on Top: 50.46,16.04 52.24,16.04 51.73,17.82 51.73,18.08 50.97,18.08 50.97,17.82
Net-(U28-ISEN) on Top: 68.24,16.04 70.02,16.04 69.51,17.82 69.51,18.08 68.75,18.08 68.75,17.82
Net-(U59-VO) on Bottom: 21.27,86.93 37.02,86.93 37.02,80.93 21.27,80.93
Net-(U59-VO) on In1.Cu, In2.Cu: 29.27,86.93 35.27,86.93 35.27,80.93 29.27,80.93

Small or netless copper shapes (teardrops, artwork), in the pictures only: 1 on Top

## Text on the board
F.Silkscreen: Motor Control Board / Rev A
